# Altium PCB WS485H-V2.PcbDoc (part 2 of 2)
Units mm, origin at the board's own origin, x right, y up, seen from the top; angles counter-clockwise.
Board outline 80.13 x 50.13 mm, 2 copper layers (TopLayer, BottomLayer); 99 components, 75 nets, 330 pads, 447 vias.
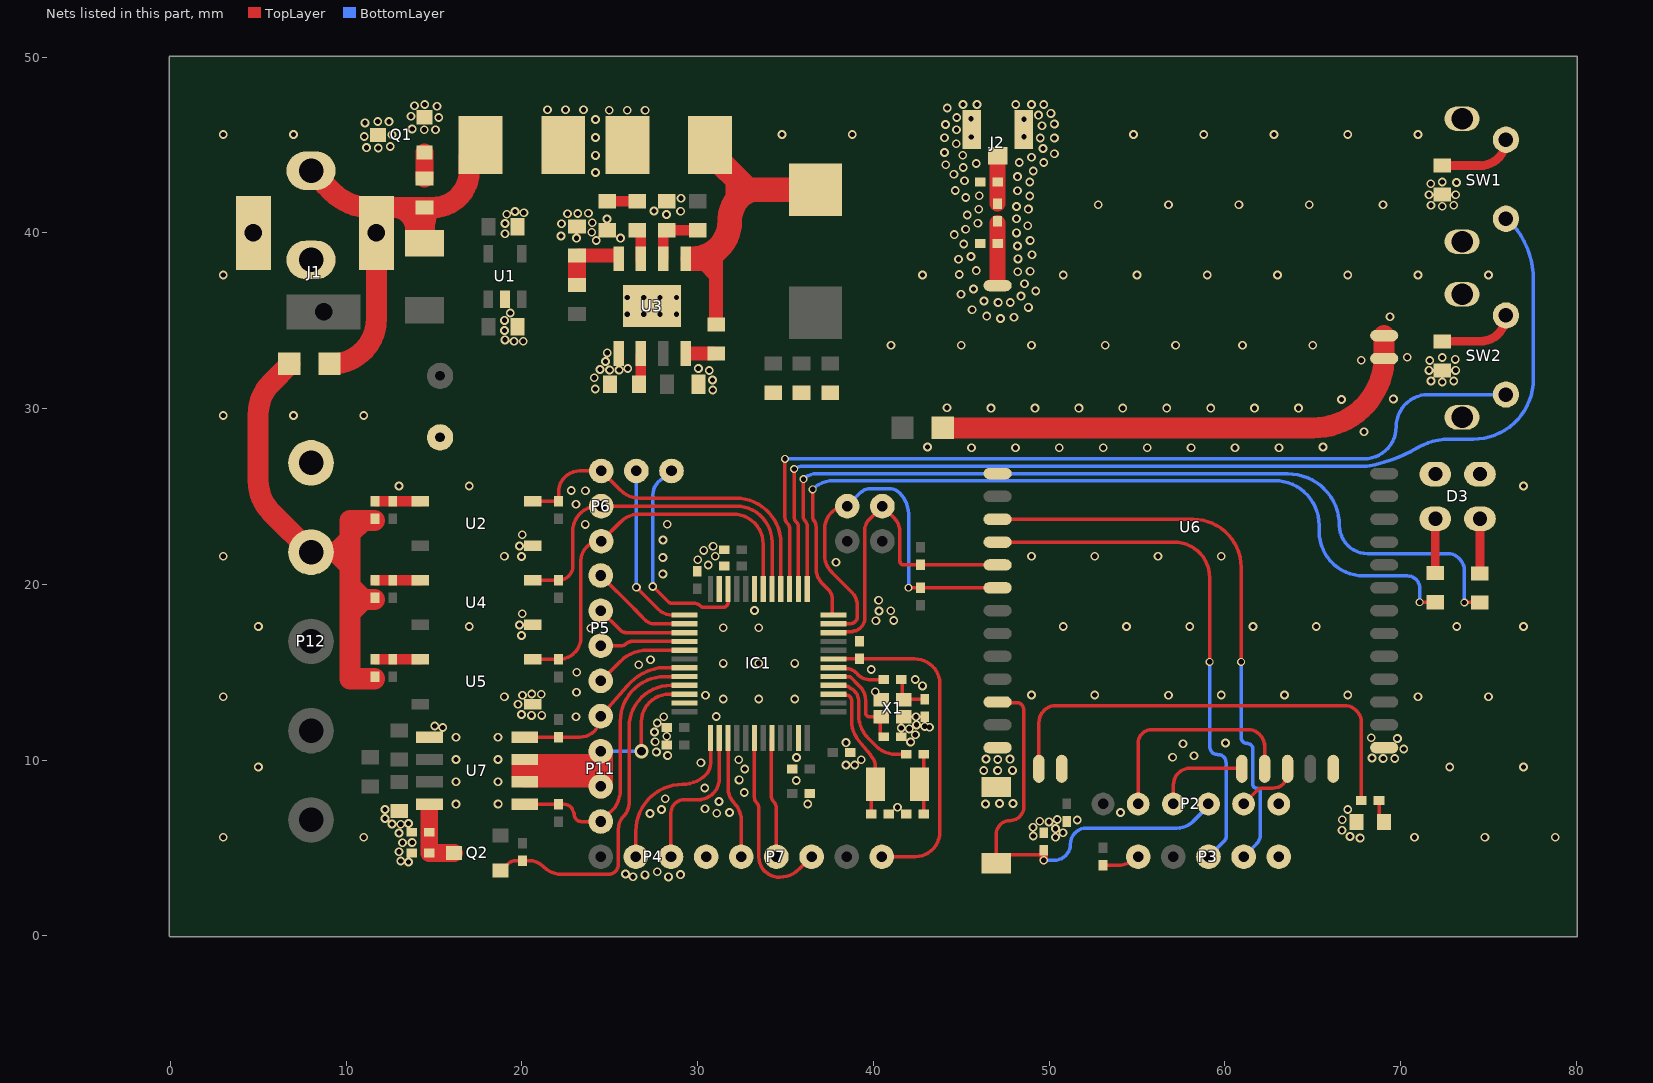
[diagram p2: the nets of this part, all layers, seen from the top]

## Via types
v1: diameter 0.5, hole 0.3, TopLayer to BottomLayer, tented both sides, 416 vias
v2: diameter 0.8, hole 0.5, TopLayer to BottomLayer, tented both sides, 17 vias
v3: diameter 0.45, hole 0.3, TopLayer to BottomLayer, tented both sides, 13 vias
v4: diameter 0.7, hole 0.4, TopLayer to BottomLayer, tented both sides, 1 vias

## Nets (pads, with @x,y where several pads share a name; then routed paths per layer and width w, separated by ;. In a path a pad name is that pad's centre, name@x,y a point inside that pad or via, vN(x,y) a via of type N, cw(c..) or ccw(c..) an arc to the next point about the centre after c; other vN are vias at no path point) (continued)
GND: C1.1 C2.1 C3.1 C4.1 C5.1 C7.2 C8.1 C10.1 C11.1 C12.1 C13.1 C14.1 C15.2 C16.2 C17.2 C18.2 C19.1 C20.2 C21.2 C22.1 C23.1 C24.2 C25.2 C26.2 C27.2 D1.1 D2.1 D3.2 D3.4 D4.2 IC1.19 IC1.23 IC1.35 IC1.47 J2.2 P2.6 P3.1 P4.1 P12.1 Q1.2 R5.1 R10.1 R11.1 R13.1 R19.1 R23.2 R24.2 R29.1 SW1.0 SW2.0 SW3.2 U1.2 U2.3 U3.0 U3.5 U4.3 U5.3 U6.2 U6.14 U6.22 U7.5 X1.3 X1.4
  other v1: 26.318,3.353 28.341,3.35 27.009,3.464 29.029,3.477 25.89,3.514 27.703,3.638 13.55,4.2 13.099,4.254 13,4.78 13.2,5.29 13.75,5.3 67.701,5.555 3,5.6 11,5.6 50.36,5.6 70.8,5.6 74.8,5.6 78.8,5.6 67.12,5.65 49.1,5.67 13,5.84 50.79,5.86 66.67,6 50.368,6.095 49.09,6.17 12.6,6.36 13.099,6.339 13.55,6.39 50,6.48 49.47,6.51 51.6,6.59 50.46,6.61 66.677,6.605 12.21,6.67 27.29,6.95 31.09,6.97 31.81,7.012 54.069,7.019 12.21,7.18 27.94,7.18 66.99,7.18 30.42,7.23 41.37,7.31 16.25,7.49 18.645,7.495 36.27,7.5 46.38,7.5 47.18,7.53 47.95,7.53 31.22,7.64 28.15,7.79 32.65,8.15 30.404,8.412 16.25,8.76 18.64,8.76 35.61,8.83 32.36,8.87 46.28,9.4 47.07,9.4 47.92,9.41 32.68,9.49 5,9.6 72.8,9.6 77,9.6 38.94,9.71 38.44,9.72 30.182,9.84 32.34,10.01 39.31,10.02 16.25,10.03 18.64,10.03 47.08,10.03 46.41,10.06 47.77,10.05 69.01,10.08 69.67,10.08 68.37,10.12 35.63,10.14 57.03,10.16 58.24,10.24 28.29,10.26 27.65,10.45 70.18,10.63 57.618,10.928 60.04,10.97 38.44,10.99 42.12,11.03 27.58,11.04 69.82,11.23 68.33,11.27 16.25,11.3 18.64,11.3 28.244,11.35 28.244,11.35 42.39,11.44 27.55,11.6 42.043,11.772 15.495,11.845 41.592,11.826 43.19,11.86 42.92,11.915 15.04,11.94 42.46,12 27.701,12.102 23.07,12.46 28.07,12.46 31.058,12.473 42.42,12.465 20.55,12.54 21.13,12.54 19.977,12.584 19.77,13.17 31.452,13.47 33.472,13.47 35.522,13.47 3,13.6 19,13.6 71,13.6 75,13.6 20.03,13.69 30.44,13.684 49.001,13.699 52.601,13.699 56.796,13.69 59.801,13.699 63.4,13.699 67,13.699 21.1,13.74 20.56,13.76 23.11,13.86 40.11,13.89 42.79,14.22 42.38,14.58 23.12,14.99 39.88,15.15 26.647,15.424 31.452,15.5 33.482,15.5 35.522,15.5 27.318,15.7 19.977,17.084 23.91,17.5 31.452,17.53 33.472,17.53 5,17.6 17,17.6 50.801,17.599 54.401,17.599 58.001,17.599 61.6,17.599 65.2,17.599 73.2,17.6 77,17.6 19.866,17.685 40.141,17.921 41.165,17.944 20.015,18.324 40.32,18.48 40.99,18.49 33.23,18.51 40.299,19.096 28.02,20.58 30.6,21.1 37.879,21.261 30,21.4 28.02,21.52 3,21.6 19,21.6 19.977,21.584 31,21.6 49.001,21.599 52.601,21.599 56.201,21.599 59.801,21.599 30.35,21.93 30.88,22.16 19.866,22.185 28.03,22.52 20.015,22.824 23.6,23.41 28.27,23.42 23.07,24.55 23.61,25.32 22.81,25.34 13,25.6 17,25.6 77,25.6 45.583,27.774 48.083,27.774 50.583,27.774 53.083,27.774 55.583,27.774 58.083,27.774 60.583,27.774 63.083,27.774 43.083,27.809 65.583,27.812 67.926,28.682 3,29.6 7,29.6 11,29.6 46.694,30.026 49.194,30.026 51.694,30.026 54.194,30.026 56.694,30.026 59.194,30.026 61.694,30.026 64.194,30.026 44.194,30.049 66.645,30.518 69.592,30.547 30.86,31.06 24.17,31.12 72.375,31.514 71.736,31.574 73.031,31.574 30.85,31.62 24.12,31.75 24.99,32.19 25.53,32.19 30.66,32.17 71.615,32.175 73.135,32.175 24.44,32.22 26.02,32.28 30.04,32.28 24.75,32.68 71.66,32.74 67.76,32.755 73.11,32.8 70.38,32.919 72.37,32.91 24.85,33.17 41,33.6 45,33.6 49,33.6 53.2,33.6 57.2,33.6 61,33.6 65,33.6 19.55,33.83 20.08,33.83 19.04,33.91 19.014,34.444 19.01,35.02 47.24,35.12 48,35.2 69.404,35.221 46.456,35.26 26,35.362 26.93,35.362 27.86,35.362 28.79,35.362 19.34,35.44 45.62,35.63 48.82,35.76 47.1,36.04 47.79,36.04 46.3,36.12 26,36.317 26.93,36.317 27.86,36.317 28.79,36.317 48.4,36.4 44.99,36.51 49.24,36.69 45.7,36.8 48.6,37.1 42.8,37.6 50.8,37.6 55,37.6 59,37.6 63,37.6 67,37.6 71,37.6 75,37.6 44.89,37.63 48.22,37.79 48.22,37.79 48.92,37.82 48.92,37.82 45.85,37.85 44.85,38.5 44.85,38.5 48.23,38.52 48.23,38.52 45.55,38.65 49.03,38.75 49.03,38.75 48.2,39.25 45.14,39.37 48.92,39.56 24.23,39.57 23.1,39.7 25.61,39.7 22.22,39.82 44.6,39.9 19.04,39.95 48.15,40 23.97,40.04 45.25,40.2 48.78,40.4 22.25,40.52 19.03,40.53 24,40.57 45.947,40.552 24.84,40.79 48.15,40.8 45.348,41.02 28.23,41.05 19.13,41.06 22.59,41.09 23.18,41.1 23.78,41.12 20.11,41.15 19.61,41.21 29.03,41.23 27.51,41.25 45.991,41.341 48.82,41.35 48.15,41.5 72.375,41.514 71.736,41.574 73.031,41.574 52.8,41.6 56.8,41.6 60.8,41.6 64.8,41.6 69,41.6 29.05,41.97 45.26,42.006 48.9,42.1 46.02,42.109 71.615,42.175 73.135,42.175 48.2,42.4 44.654,42.415 71.72,42.79 73.18,42.87 48.9,42.9 72.38,42.9 45.187,42.971 48.2,43.2 44.58,43.34 24.18,43.44 49.1,43.52 45.114,43.716 44.12,43.88 45.85,43.95 48.3,44 49.7,44 49,44.3 24.18,44.41 45.09,44.42 50.3,44.5 44.052,44.578 49.65,44.8 44.72,45.07 49.5,45.4 50.3,45.4 44.047,45.41 24.18,45.433 45.564,45.458 48.568,45.463 34.8,45.6 38.8,45.6 54.8,45.6 58.8,45.6 62.8,45.6 67,45.6 71,45.6 14.44,45.87 15.08,45.87 44.73,45.87 13.75,45.91 49.6,46.1 44.102,46.168 50.3,46.2 24.18,46.456 45.56,46.49 48.568,46.473 15.27,46.57 44.75,46.57 13.69,46.64 49.4,46.7 50.1,46.8 21.46,47 22.48,47 23.5,47 24.97,46.98 25.99,46.98 27.01,46.98 44.2,47.1 15.17,47.2 13.88,47.23 14.47,47.3 45.1,47.3 45.9,47.3 48.1,47.3 49,47.3 49.7,47.3
I2C1_SCL: IC1.39 P7.3 | length 7
  TopLayer w0.2: IC1.39@31.732,11.262 31.732,8.372 ccw(c32.852,8.372) 32.06,7.58 cw(c31.041,6.561) 32.482,6.561 P7.3@32.482,4.5
I2C1_SDA: IC1.44 P7.2 | length 6.9
  TopLayer w0.2: IC1.44@34.232,11.262 34.182,11.212 34.182,10.507 34.182,7.977 ccw(c34.687,7.977) 34.33,7.62 cw(c33.963,7.253) 34.482,7.253 P7.2@34.482,4.5
I2C1_SMBA: IC1.42 P7.1 | length 10.9
  TopLayer w0.2: IC1.42@33.232,11.262 33.232,7.869 ccw(c33.669,7.869) 33.36,7.56 cw(c33.066,7.266) 33.482,7.266 33.482,4.483 33.482,4.482 ccw(c34.636,4.484) 34.676,3.331 34.679,3.331 ccw(c34.676,4.868) 35.764,3.782 P7.1@36.482,4.5
"IOA9-DC ON": U6.21
KEY0: IC1.14 SW1.1 | length 60.8
  TopLayer w0.2: v3(35.492,26.562) 35.492,23.827 ccw(c35.902,23.827) 35.611,23.538 cw(c35.322,23.247) 35.732,23.247 IC1.14@35.732,19.738
  BottomLayer w0.2: v3@35.492,26.522 cw(c35.97,26.044) 35.97,26.72 68.064,26.72 68.08,26.72 ccw(c66.793,34.645) 69.503,27.088 ccw(c66.511,35.43) 70.976,27.774 cw(c72.776,24.683) 72.776,28.26 72.778,28.26 74.14,28.26 ccw(c74.14,31.68) 77.56,31.68 77.56,37.322 77.56,37.323 ccw(c72.728,37.323) 76.145,40.74 SW1.1@76,40.8
KEY1: IC1.15 SW2.1 | length 50.6
  TopLayer w0.2: v3(34.967,27.14) 34.967,23.804 ccw(c35.42,23.804) 35.099,23.484 ; 35.099,23.484 cw(c34.779,23.164) 35.232,23.164 IC1.15@35.232,19.738
  BottomLayer w0.2: v3(34.967,27.14) 67.924,27.14 ccw(c67.924,28.97) 69.754,28.97 cw(c71.584,28.97) 71.584,30.8 SW2.1@76,30.8
LED1: IC1.12 R20.2 | length 47.7
  TopLayer w0.2: v3(36.542,25.406) 36.542,23.871 ccw(c37.006,23.871) 36.573,23.705 ; 37.077,20.063 cw(c37.892,20.877) 36.74,20.877 36.74,23.26 ccw(c36.063,23.26) 36.678,23.544 ; 37.078,20.062 37.415,19.725 cw(c36.799,19.109) 37.67,19.109 37.67,18.3 IC1.12@37.72,18.25 ; v3(71.09,18.979) R20.2@71.98,18.979 ; 36.573,23.705 cw(c36.063,23.26) 36.678,23.544 ; 36.573,23.705 ccw(c37.006,23.871) 36.678,23.544
  BottomLayer w0.2: v3(36.542,25.406) cw(c37.734,24.214) 37.734,25.9 62.829,25.9 cw(c62.829,23.36) 65.369,23.36 65.369,23.02 ccw(c67.909,23.02) 67.909,20.48 70.382,20.48 cw(c70.382,19.772) 71.09,19.772 v3(71.09,18.979)
LED2: IC1.13 R21.2 | length 49.9
  TopLayer w0.2: v3(36.017,25.984) 36.017,23.85 ccw(c36.384,23.85) 36.124,23.59 cw(c35.865,23.331) 36.232,23.331 IC1.13@36.232,19.738 ; v3(73.63,18.965) R21.2@74.52,18.965
  BottomLayer w0.2: v3(36.017,25.984) cw(c36.779,25.222) 36.779,26.3 36.781,26.3 63.405,26.3 cw(c63.405,26.1) 63.486,26.283 63.588,26.283 cw(c63.588,23.345) 66.525,23.345 ccw(c68.124,23.345) 68.124,21.747 72.67,21.747 cw(c72.67,20.787) 73.63,20.787 v3(73.63,18.965)
LED_G: IC1.18 P6.1 R14.1 U5.4 | length 22.9
  TopLayer w0.2: U5.4@20.616,15.725 R14.1@22.082,15.725 ccw(c22.082,17.003) 23.36,17.003 23.36,21.348 cw(c24.462,21.348) 24.462,22.45 P6.1@24.512,22.45 25.609,23.547 ; 25.611,23.549 cw(c26.7,22.459) 26.7,24 32.011,24 cw(c32.011,22.279) 33.732,22.279 IC1.18@33.732,20.24 ; IC1.18@33.732,19.738 ccw(c33.732,19.776) 33.77,19.776 IC1.18@33.77,20.24
LED_R: IC1.16 P6.3 R2.1 U2.4 | length 20
  TopLayer w0.2: U2.4@20.616,24.725 R2.1@22.082,24.725 22.082,25.24 cw(c23.292,25.24) 23.292,26.45 P6.3@24.512,26.45 25.609,25.353 25.611,25.351 ccw(c26.7,26.441) 26.7,24.9 26.702,24.9 32.175,24.9 cw(c32.175,22.343) 34.732,22.343 IC1.16@34.732,19.738
LED_Y: IC1.17 P6.2 R8.1 U4.4 | length 21.1
  TopLayer w0.2: U4.4@20.616,20.225 R8.1@22.082,20.225 ccw(c22.082,21.033) 22.89,21.033 22.89,23.01 cw(c24.33,23.01) 24.33,24.45 P6.2@24.512,24.45 32.193,24.45 cw(c32.193,22.411) 34.232,22.411 IC1.17@34.232,19.312
MODE: P2.5 U6.19 | length 3.6
  TopLayer w0.2: P2.5@61.07,7.5 61.874,8.304 cw(c62.064,8.115) 62.064,8.383 62.72,8.383 cw(c63.07,7.5) 63.012,8.448 ; 63.029,8.45 ccw(c63,8.648) 63.087,8.468 ccw(c62.719,9.222) 63.558,9.222 63.558,9.502 U6.19@63.57,9.502 ; 63.012,8.448 cw(c63.07,7.5) 63.029,8.449 ccw(c63.07,7.5) 63.012,8.448
NetC6_1: C6.1 U3.8 | length 1.5
  TopLayer w0.8: U3.8@29.6,33.134 30.853,33.134 C6.1@30.653,33.134
NetC6_2: C6.2 D1.2 L1.1 U3.1 | length 19.8
  TopLayer w0.6: 30.279,38.181 30.981,37.479 ; 31.89,41.747 31.89,43.053
  TopLayer w0.8: C6.2@31.053,35.066 31.053,37.479 31.053,38.653
  TopLayer w1.4: 30.644,38.534 29.713,38.534 ccw(c29.713,40.643) 31.823,40.643 cw(c33.864,40.643) 32.24,41.88 cw(c33.444,40.963) 33.042,42.422 ; D1.2@30.7,45.001 30.7,44.601 32.898,42.403 cw(c33.296,40.96) 33.296,42.457 L1.1@36.7,42.457
NetC9_1: C9.1 R13.2 | length 1.3
  TopLayer w0.6: R13.2@25.14,41.798 C9.1@26.47,41.798
NetC9_2: C9.2 U3.3 | length 1.8
  TopLayer w0.6: C9.2@26.53,40.147 26.77,39.907 U3.3@26.77,38.441
NetC10_2: C10.2 R17.1 U6.1 | length 3.6
  TopLayer w0.915: U6.1@47.07,37.212 47.07,39.379 C10.2@47.07,39.579 ; C10.2@47.07,39.281 R17.1@47.07,40.562
NetC11_2: C11.2 J2.1 R17.2 | length 2.7
  TopLayer w0.915: R17.2@47.07,41.677 C11.2@47.07,42.902 J2.1@47.07,44.384
NetC25_1: C25.1 R31.2 X2.2 | length 3.1
  TopLayer w0.2: C25.1@42.87,6.92 X2.2@42.87,8.306 ; X2.2@42.87,8.62 R31.2@42.87,10.324
NetC27_1: C27.1 R30.2 X1.2 | length 2.4
  TopLayer w0.2: R30.2@41.592,14.579 41.64,14.531 41.64,13.532 X1.2@41.732,13.44 ; X1.2@41.757,13.465 C27.1@42.92,13.465
NetD3_1: D3.1 R21.1 | length 3.1
  TopLayer w0.5: R21.1@74.52,20.616 D3.1@74.52,23.73
NetD3_3: D3.3 R20.1 | length 3.1
  TopLayer w0.5: R20.1@71.98,20.63 D3.3@71.98,23.73
NetD4_1: D4.1 R26.1 | length 1.4
  TopLayer w0.2: R26.1@68.775,7.689 68.775,6.749 ccw(c69.05,6.749) D4.1@69.05,6.474
NetP3_5: P3.5 R27.2 | length 2.2
  TopLayer w0.2: R27.2@53.121,3.979 ccw(c53.07,3.928) R27.2@53.07,4 53.863,4 ccw(c53.863,5.707) P3.5@55.07,4.5
  BottomLayer w0.2: P3.5@55.04,4.46 55.04,4.47 cw(c55.07,4.47) P3.5@55.07,4.5
NetQ1_1: Q1.1 R6.1 | length 1.5
  TopLayer w1: R6.1@14.455,43.091 Q1.1@14.455,44.58
NetR1_1: R1.1 R5.2 U3.4 | length 3.2
  TopLayer w0.6: 23.999,38.715 24.028,38.686 ; U3.4@25.499,38.458 U3.4@25.499,38.534 U3.4@25.499,38.686
  TopLayer w0.8: R5.2@23.258,38.716 U3.4@25.299,38.716
  TopLayer w1: R1.1@23.133,37.432 23.133,38.31
NetR3_2: R3.2 R4.2 U2.1 | length 2.5
  TopLayer w0.6: R3.2@11.734,24.721 R4.2@12.651,24.722 U2.1@14.216,24.721
NetR7_1: R7.1 R10.2 U3.2 | length 2.5
  TopLayer w0.6: U3.2@28.039,38.534 28.039,39.839 R10.2@28.047,39.847 ; R10.2@28.397,40.147 R7.1@29.584,40.147
NetR9_2: R9.2 R12.2 U4.1 | length 2.5
  TopLayer w0.6: R9.2@11.688,20.225 R12.2@12.651,20.225 U4.1@14.216,20.225
NetR11_2: R11.2 U3.6 | length 1.4
  TopLayer w0.6: R11.2@26.77,31.664 U3.6@26.77,33.041
NetR15_2: R15.2 R16.2 U5.1 | length 2.5
  TopLayer w0.6: R15.2@11.697,15.725 R16.2@12.651,15.726 U5.1@14.216,15.725
NetR18_2: R18.2 U6.35 U6.36 | length 28.7
  TopLayer w1.2: R18.2@43.943,28.9 65.018,28.9 ccw(c65.018,32.952) U6.35@69.07,32.952 ; U6.35@69.07,32.852 U6.36@69.07,34.152
NetR23_1: R23.1 SW1.2 | length 4.5
  TopLayer w0.5: R23.1@72.375,43.826 74.525,43.826 ccw(c74.525,45.3) SW1.2@76,45.3
NetR24_1: R24.1 SW2.2 | length 4.5
  TopLayer w0.5: R24.1@72.375,33.826 74.525,33.826 ccw(c74.525,35.3) SW2.2@76,35.3
NRST: C17.1 IC1.7 P8.2 | length 19.4
  TopLayer w0.2: IC1.7@37.72,15.75 C17.1@39.212,15.75 42.336,15.75 cw(c42.336,14.268) 43.384,15.316 cw(c42.425,14.359) 43.78,14.362 43.78,14.36 43.78,5.908 cw(c42.372,5.908) 42.372,4.5 P8.2@40.482,4.5
OSC32-IN: C24.1 IC1.3 X2.1 | length 8.8
  TopLayer w0.2: IC1.3@37.72,13.75 38.001,13.75 cw(c38.001,13.579) 38.122,13.7 38.457,13.7 cw(c38.457,13.4) 38.551,13.685 cw(c38.457,13.4) 38.757,13.4 38.757,13.1 cw(c38.457,13.1) 38.756,13.07 38.757,13.004 38.757,12.265 ccw(c40.64,12.265) 39.053,11.253 ccw(c40.64,12.265) 39.309,10.934 39.827,10.289 cw(c39.119,9.581) 40.12,9.581 X2.1@40.12,8.62 ; C24.1@39.87,6.92 39.87,8.24 40.19,8.56 X2.1@40.13,8.62 ; X2.1@40.12,8.62 ccw(c39.661,9.079) 40.31,9.079 X2.1@40.31,9.1
OSC32-OUT: IC1.4 R31.1 | length 6.7
  TopLayer w0.2: IC1.4@37.72,14.25 38.047,14.25 cw(c38.047,14.079) 38.167,14.2 38.457,14.2 cw(c38.457,13.9) 38.669,14.113 ccw(c38.809,14.255) 38.713,14.08 cw(c38.248,13.238) 38.902,13.943 cw(c38.248,13.238) 38.928,13.918 cw(c38.457,13.4) 39.157,13.4 39.157,13.352 ccw(c39.757,13.352) 39.157,13.351 39.16,12.566 ccw(c41.048,12.566) 39.16,12.552 ccw(c41.048,12.566) 39.713,11.231 40.155,10.789 ccw(c41.286,11.919) 40.157,10.787 ccw(c41.286,11.919) 41.286,10.32 41.866,10.32 R31.1@41.87,10.324
OSO_IN: C26.1 IC1.5 X1.1 | length 5.5
  TopLayer w0.2: IC1.5@37.72,14.75 38.592,14.75 cw(c38.592,14.579) 38.713,14.7 39.141,14.273 cw(c38.132,13.262) 39.18,14.232 39.181,14.23 ccw(c39.327,14.367) 39.189,14.223 cw(c38.248,13.238) 39.204,14.208 cw(c38.457,13.4) 39.234,14.179 cw(c38.457,13.4) 39.237,14.176 cw(c38.457,13.4) 39.557,13.4 39.557,13.352 ccw(c39.757,13.352) 39.558,13.341 cw(c38.132,13.262) 39.56,13.262 39.56,12.67 ccw(c39.765,12.67) 39.765,12.465 X1.1@40.235,12.465 ; C26.1@40.392,11.476 40.392,12.178 40.235,12.178 X1.1@40.235,12.465 ; X1.1@40.457,12.465 X1.1@40.235,12.465
OSO_OUT: IC1.6 R30.1 | length 2.4
  TopLayer w0.2: 38.475,15.2 cw(c38.475,14.466) 38.994,14.985 39.152,14.827 ; 39.197,14.782 39.152,14.827 ; R30.1@40.592,14.579 39.75,14.579 cw(c39.75,15.425) 39.152,14.827
PGND: J1.2 P1.2 Q1.3
  other v1: 3,37.6 11.82,44.83 11.16,44.85 12.507,44.917 11.02,45.49 12.61,45.58 3,45.6 7,45.6 11.07,46.26 11.79,46.34 12.44,46.33
RESET: C18.1 P2.4 SW3.1 U6.12 | length 24.9
  TopLayer w0.2: U6.12@47.07,13.302 cw(c47.07,13.27) 47.102,13.27 48.15,13.27 cw(c48.15,12.865) 48.555,12.865 48.555,7.334 cw(c47.775,7.334) 47.775,6.554 ccw(c47.775,5.774) 46.995,5.774 46.995,4.619 49.445,4.619
  TopLayer w0.5: v1(49.695,4.294) C18.1@49.695,4.869
  BottomLayer w0.2: v1(49.695,4.294) 50.295,4.294 ccw(c50.295,5.207) 51.208,5.207 cw(c52.121,5.207) 52.121,6.12 57.271,6.12 57.272,6.12 ccw(c57.272,7.417) 58.19,6.5 59.07,7.38 P2.4@59.07,7.5
RS485-DE: IC1.34 P11.2 P11.3 U7.2 U7.3 | length 24.1
  TopLayer w0.2: P11.2@24.482,8.5 ccw(c24.482,8.535) 24.517,8.535 24.517,10.465 ccw(c24.482,10.465) P11.3@24.482,10.5 ; v2(26.8,10.5) 26.76,10.523 26.8,10.563 26.8,12.164 cw(c28.386,12.164) 28.386,13.75 IC1.34@29.244,13.75
  TopLayer w0.65: U7.2@20.157,8.76 24.222,8.76 23.802,9.18 ; U7.3@20.383,10.03 P11.3@24.26,10.03
  TopLayer w1.4: 20.377,9.44 24.207,9.44 ; P11.2@24.482,8.5 P11.3@24.482,10.5
  TopLayer w1.525: 20.157,9.208 20.157,9.57
  BottomLayer w0.2: P11.3@24.482,10.5 v2(26.8,10.5)
RS485_switch: IC1.33 Q2.1 R28.1 | length 19.9
  TopLayer w0.2: Q2.1@18.831,3.71 19.222,4.101 cw(c19.63,3.693) 19.63,4.27 R28.1@20.03,4.27 20.43,4.27 cw(c20.43,3.169) 21.208,3.948 21.241,3.915 ccw(c22.247,4.921) 22.247,3.498 24.924,3.498 ccw(c24.924,4.056) 25.482,4.056 25.482,5.5 25.482,6.032 cw(c26.664,6.032) 25.828,6.867 ccw(c25.166,7.526) 26.1,7.526 26.1,11.872 cw(c28.478,11.872) 28.478,14.25 IC1.33@29.244,14.25
RS485_VCC_3V3: C22.2 C23.2 Q2.3 U7.8 | length 3.9
  TopLayer w1: U7.8@14.732,7.201 C22.2@14.732,5.89 C23.2@14.732,4.7 14.742,4.71 Q2.3@16.139,4.71
RXD: P3.2 U6.4 | length 32.9
  TopLayer w0.2: U6.4@47.07,23.702 58.194,23.702 cw(c58.194,20.967) 60.929,20.967 v3(60.929,15.585)
  BottomLayer w0.2: v3(60.929,15.585) 60.929,11.281 ccw(c61.27,11.281) 61.27,10.94 cw(c61.27,10.61) 61.6,10.61 61.6,8.61 ccw(c61.81,8.61) 61.81,8.4 cw(c61.81,8.19) 62.02,8.19 62.02,5.748 cw(c61.301,5.748) 61.809,5.239 P3.2@61.07,4.5
SPI2_MISO: IC1.28 P5.2 | length 4.8
  TopLayer w0.2: P5.2@24.482,16.5 25.643,16.5 ccw(c25.643,16.927) 25.935,16.615 ccw(c25.643,16.927) 25.945,16.625 cw(c26.247,16.323) 26.247,16.75 IC1.28@29.244,16.75
SPI2_MOSI: IC1.29 P5.1 | length 5.4
  TopLayer w0.2: P5.1@24.482,14.5 25.579,15.597 ; 25.581,15.599 cw(c27.153,14.026) 27.153,16.25 IC1.29@29.244,16.25
SPI2_NSS: IC1.26 P5.4 | length 5.9
  TopLayer w0.2: P5.4@24.482,20.5 26.391,18.603 cw(c25.67,17.875) 26.401,18.593 27.02,17.964 27.021,17.963 ccw(c27.536,18.478) 27.536,17.75 27.537,17.75 27.79,17.75 IC1.26@29.244,17.75
SPI2_SCK: IC1.27 P5.3 | length 5.3
  TopLayer w0.2: P5.3@24.482,18.5 25.579,17.403 ; 25.581,17.401 ccw(c25.946,17.767) 25.946,17.25 IC1.27@29.244,17.25
SWCLK: IC1.38 P4.2 | length 8.7
  TopLayer w0.2: P4.2@28.482,4.5 28.482,6.996 cw(c29.226,6.996) 29.226,7.74 30.022,7.74 ccw(c30.022,8.95) 30.533,7.853 ccw(c30.022,8.95) 31.119,8.439 ccw(c30.022,8.95) 31.232,8.95 IC1.38@31.232,11.262
SWCLK-W: P2.3 U6.17 | length 5.5
  TopLayer w0.2: P2.3@57.07,7.5 57.07,8.577 cw(c58.023,8.577) 58.023,9.53 60.72,9.53 ccw(c60.748,9.53) 60.748,9.502 U6.17@60.97,9.502
SWD-W: P2.2 U6.18 | length 12.9
  TopLayer w0.2: P2.2@55.07,7.5 55.07,10.96 cw(c55.84,10.96) 55.84,11.73 61.313,11.73 cw(c61.313,10.773) 62.27,10.773 U6.18@62.27,9.502
SWDIO: IC1.37 P4.3 | length 9.3
  TopLayer w0.2: P4.3@26.482,4.5 26.482,5.95 cw(c29.149,5.95) 29.148,8.617 ccw(c29.149,10.471) 30.46,9.16 ccw(c29.803,9.817) 30.732,9.817 IC1.37@30.732,11.262
TXD: P3.3 U6.5 | length 30.3
  TopLayer w0.2: U6.5@47.07,22.402 57.12,22.402 cw(c57.12,20.387) 59.135,20.387 v3(59.135,15.585) ; P3.3@59.07,4.5 ccw(c59.07,4.58) 59.15,4.58 P3.3@59.15,4.71
  BottomLayer w0.2: P3.3@59.07,4.5 59.984,5.414 59.985,5.415 ccw(c59.779,5.623) 60.072,5.623 60.072,9.838 ccw(c59.6,9.838) 59.6,10.31 cw(c59.6,10.775) 59.135,10.775 v3(59.135,15.585)
UART1-RX: IC1.32 P11.1 R32.1 U7.1 | length 17.1
  TopLayer w0.2: U7.1@20.162,7.495 R32.1@22.082,7.495 22.339,7.495 cw(c22.339,6.829) 22.808,7.302 cw(c22.666,7.161) 22.841,7.258 22.842,7.256 cw(c22.668,7.157) 22.852,7.235 ; 22.853,7.234 22.957,6.982 ; 22.957,6.981 cw(c22.771,6.907) 22.965,6.956 22.966,6.952 cw(c22.773,6.902) 22.973,6.905 ccw(c23.38,6.907) 23.38,6.5 P11.1@24.482,6.5 P11.1@24.782,6.8 ; P11.1@23.796,6.5 ccw(c23.781,8.319) P11.1@24.782,6.8 ; 25.6,12.03 25.6,8.319 cw(c23.781,8.319) 25.3,7.318 P11.1@24.782,6.8 ; 25.6,12.031 25.6,12.21 cw(c28.14,12.21) 28.14,14.75 IC1.32@29.244,14.75
UART1-TX: IC1.31 P11.4 R34.1 U7.4 | length 10.9
  TopLayer w0.2: U7.4@20.157,11.3 22.082,11.3 23.282,11.3 ccw(c23.282,12.5) P11.4@24.482,12.5 25.983,14.209 cw(c28.421,12.071) 27.78,15.25 IC1.31@29.244,15.25
UART3_RX: IC1.25 P10.1 | length 10
  TopLayer w0.2: v1(26.512,19.828) 27.761,18.579 27.762,18.578 ccw(c28.553,19.369) 28.553,18.25 28.555,18.25 IC1.25@29.244,18.25
  BottomLayer w0.2: v1(26.512,19.828) P10.1@26.512,26.45
UART3_TX: IC1.22 P10.2 | length 12.8
  TopLayer w0.2: v1(27.45,19.88) 28.326,19.004 ccw(c28.521,19.198) 28.521,18.923 29.793,18.923 cw(c29.793,18.425) 30.145,18.778 ; 30.146,18.777 ccw(c30.357,18.988) 30.357,18.69 31.45,18.69 ccw(c31.45,18.972) 31.732,18.972 IC1.22@31.732,19.738
  BottomLayer w0.2: v1(27.45,19.88) 27.45,25.081 cw(c28.512,25.081) 28.512,26.143 P10.2@28.512,26.45
USART2-RX: IC1.11 P13.2 R25.1 U6.7 | length 23.3
  TopLayer w0.2: 37.23,21.61 37.23,21.64 ; IC1.11@37.72,17.75 38.654,17.75 ccw(c38.654,18.186) 39.09,18.186 39.09,18.783 ccw(c38.01,18.783) 38.772,19.548 37.64,20.68 37.619,20.701 cw(c38.558,21.64) 37.23,21.64 ; P13.2@38.512,24.45 ccw(c38.512,23.168) 37.23,23.168 37.23,21.64 ; v3(42,19.802) R25.1@42.683,19.802 U6.7@47.07,19.802
  BottomLayer w0.2: P13.2@38.512,24.45 39.29,25.228 cw(c39.824,24.696) 39.824,25.45 39.826,25.45 40.895,25.45 40.897,25.45 cw(c40.897,24.613) 41.484,25.209 cw(c40.268,23.976) 42,24 42,23.998 v3(42,19.802)
USART2-TX: IC1.10 P13.1 R22.1 U6.6 | length 18.2
  TopLayer w0.2: IC1.10@37.72,17.25 38.194,17.25 ccw(c38.194,17.3) 38.244,17.3 38.714,17.3 ccw(c38.714,18.098) 38.756,17.301 ccw(c38.746,17.501) 38.832,17.32 cw(c38.962,17.05) 38.957,17.35 ccw(c38.953,17.55) 39.032,17.366 ccw(c38.714,18.098) 39.512,18.098 39.512,22.443 cw(c40.512,22.45) 39.512,22.457 39.512,23.098 cw(c40.342,23.098) 39.755,23.685 P13.1@40.516,24.446 ; 41.512,22.452 cw(c40.512,22.45) 41.512,22.45 ; R22.1@42.672,21.106 41.715,21.106 cw(c41.715,21.308) 41.512,21.308 41.512,22.45 ; R22.1@42.683,21.102 U6.6@47.07,21.102 ; P13.1@40.516,24.446 P13.1@40.512,24.45 40.52,24.45 P13.1@40.516,24.446 ; P13.1@40.516,24.446 41.171,23.791 cw(c40.348,22.968) 41.172,23.79 cw(c40.348,22.968) 41.512,22.968 41.512,22.45
VCC: P12.2 R3.1 R9.1 R15.1 R36.2 | length 32.6
  TopLayer w0.6: P12.2@9.266,21.574 9.974,20.866 ; P12.2@9.266,22.046 9.974,22.754 ; 10.446,18.196 11.154,18.904 ; 10.446,20.084 11.154,19.376 ; 10.446,22.696 11.154,23.404
  TopLayer w1.2: R36.2@6.764,32.542 6.808,32.542 6.81,32.54 5.734,31.464 ccw(c7.53,29.668) 4.99,29.668 4.99,25.892 ccw(c7.53,25.892) 5.734,24.096 P12.2@8,21.83 10,21.83 ; 10.21,14.626 10.998,14.626 R15.1@11.601,14.626 ; 10.21,14.726 10.21,19.125 ; R9.1@11.601,19.125 10.21,19.125 ; R3.1@11.601,23.622 10.21,23.622 10.21,19.125
VIN: D2.2 F1.1 J1.1 P1.1 R6.2 R36.1 | length 30
  TopLayer w1: J1.1@12.702,41.348 cw(c12.702,40.2) 13.85,40.2
  TopLayer w1.2: P1.1@8.8,42.74 8.8,42.769 8.029,43.54 P1.1@8,43.54 8.799,42.741 9.2,42.34 ccw(c11.374,44.514) 11.374,41.44 11.692,41.121 11.714,41.1 J1.1@11.714,40 11.714,35.082 cw(c9.174,35.082) 11.586,34.288 ccw(c12.726,33.912) 11.579,34.266 cw(c10.815,34.502) 11.554,34.196 cw(c9.174,35.082) 9.734,32.605 cw(c9.174,35.082) 9.174,32.542 R36.1@9.05,32.542 ; J1.1@11.777,41.44 12.702,41.44 13.95,41.44 R6.2@14.455,41.44 14.455,40.98 14.455,40.189 ; F1.1@13.95,39.899 13.95,40.98 ; F1.1@14.455,39.405 14.455,40.189 ; D2.2@17.65,45 17,44.35 17,43.51 cw(c14.93,43.51) 14.93,41.44 14.703,41.44 ccw(c17.738,40.189) 14.455,40.189
WISUN-KEY0: U6.16
WISUN-LED1: R26.2 U6.15 | length 26.5
  TopLayer w0.2: U6.15@49.42,9.502 49.42,12.124 cw(c50.396,12.124) 50.396,13.1 66.799,13.1 cw(c66.799,12.124) 67.775,12.124 R26.2@67.775,7.689
pads on no net: IC1.2 IC1.30 IC1.40 IC1.41 IC1.43 IC1.46 J1.3 U1.4 U6.8 U6.9 U6.10 U6.11 U6.23 U6.24 U6.25 U6.26 U6.27 U6.28 U6.29 U6.30 U6.31 U6.32 U6.33 U6.34

## Polygon pours and split planes (outlines as drawn)
GND on TopLayer "TopLayer-No Net 1" (hatched 90Degree grid 0.2 track 0.2, remove dead copper, pour order 1000): 79.973,0.01 79.973,50.01 -0.027,50.01 -0.027,0.01
PGND on TopLayer "TopLayer-No Net 1" (hatched 90Degree grid 0.2 track 0.2, remove dead copper, pour order 1004): 0,47.5 12.69,47.5 12.69,34 0,34
PGND on BottomLayer "TopLayer-No Net 1" (hatched 90Degree grid 0.2 track 0.2, remove dead copper, pour order 1003): 0,47.5 12.69,47.5 12.69,34 0,34
GND on BottomLayer "TopLayer-No Net 1" (hatched 90Degree grid 0.2 track 0.2, remove dead copper, pour order 1001): 79.99,0.01 79.99,50.01 -0.01,50.01 -0.01,0.01

## Keep-outs
KeepOutLayer:
  lines w0.127: 0,0 80,0 80,50 0,50 0,0
  lines w0.254: -5.267,0.8 -5,0 ; -5.267,49.2 -5,50 ; -5.254,0 -4.746,0 ; -5.254,50 -4.746,50 ; -5,22.97 -5,0 ; -5,27.03 -5,50 ; -4.733,0.8 -5,0 ; -4.733,49.2 -5,50 ; 0,-5.254 0,-4.746 ; 0.8,-5.267 0,-5 ; 0.8,-4.733 0,-5 ; 37.97,-5 0,-5 ; 42.03,-5 80,-5 ; 79.2,-5.267 80,-5 ; 79.2,-4.733 80,-5 ; 80,-5.254 80,-4.746
  text "50mm" at -4.5,23.224 h0.8 r90
  text "80mm" at 38.224,-5.5 h0.8

## Other copper
TopLayer:
  pour cut-out: 19,46.8 19,43.2 21,43.2 21,43.25 20.99,46.8
  pour cut-out: 40.67,7.51 42.072,7.51 42.072,9.765 40.67,9.765
  pour cut-out: 29.35,43.2 29.35,46.8 27.35,46.8 27.35,46.75 27.36,43.2
  pour cut-out: 40.85,43.107 40.85,34.807 32.55,34.807 32.55,43.107
  pour cut-out: 80.071,47.551 80.071,50.065 -0.057,50.065 -0.057,47.561
  pour cut-out: 80.064,-0.005 80.064,2.509 -0.064,2.509 -0.064,0.005
BottomLayer:
  pour cut-out: 80.065,47.553 80.065,50.067 -0.063,50.067 -0.063,47.563
  pour cut-out: 80.064,-0.074 80.064,2.44 -0.064,2.44 -0.064,-0.064

## Silkscreen, mask and mechanical layers (free items; w line width, h text height)
TopOverlay:
  lines w0.127: 0,2.5 80,2.5 ; 0,47.5 80,47.5
  text "07-24V" at 0.2,34.1 h0.6
  text "RX''" at 25.804,27.762 h0.6
  text "TX''" at 27.804,27.762 h0.6
  text "GND" at 10.7,26.244 h0.6 r90
  text "DI1" at 23.2,25.908 h0.6 r90
  text "RX'" at 37.9,25.81 h0.6
  text "TX'" at 39.91,25.76 h0.6
  text "D!2" at 26.25,23.95 h0.6 r90
  text "DI3" at 23.2,21.825 h0.6 r90
  text "12V/UND" at 10.7,20.206 h0.6 r90
  text "NSS" at 26.307,19.834 h0.6 r90
  text "SCK" at 26.307,17.934 h0.6 r90
  text "ADC_IN1" at 39.8,17.4 h0.6 r90
  text "ADC_IN2" at 41.8,17.2 h0.6 r90
  text "SPI" at 27.7,16.567 h0.8 r90
  text "MISO" at 26.307,15.45 h0.6 r90
  text "DI1/UND" at 10.7,15.167 h0.6 r90
  text "MOSI" at 26.307,13.167 h0.6 r90
  text "TX" at 26.307,11.883 h0.6 r90
  text "DI2/D-" at 10.7,10.295 h0.6 r90
  text "DE" at 26.307,10.083 h0.6 r90
  text "DE" at 26.307,8.083 h0.6 r90
  text "RX" at 26.307,6.083 h0.6 r90
  text "VCC" at 52.404,5.755 h0.6
  text "SWD" at 54.404,5.755 h0.6
  text "CLK" at 56.404,5.755 h0.6
  text "RST" at 58.404,5.755 h0.6
  text "MODE" at 60.154,5.755 h0.6
  text "GND" at 62.404,5.755 h0.6
  text "I2C" at 34.95,5.66 h0.8
  text "DI3/D+" at 10.7,5.215 h0.6 r90
  text "WS485H-V2" at 78.6,4.74 h1.8 r90
  text "3V3" at 23.816,2.77 h0.6
  text "DIO" at 25.857,2.76 h0.6
  text "CLK" at 27.816,2.76 h0.6
  text "GND" at 29.716,2.76 h0.6
  text "SCL" at 31.616,2.76 h0.6
  text "SDA" at 33.516,2.76 h0.6
  text "SMBA" at 35.466,2.76 h0.6
  text "BOOT0" at 38.016,2.76 h0.6
  text "NRST" at 41.276,2.76 h0.6
  text "TXD" at 58.404,2.76 h0.6
  text "RXD" at 60.404,2.76 h0.6
  text "GND" at 62.404,2.76 h0.6
  text "H" at 54,2.7 h0.6
  text "BOOT" at 55,2.7 h0.6
  text "L" at 57.6,2.7 h0.6
Mechanical1:
  lines w0.127: -2.01,0.62 -2.01,50.62 ; -0.01,25.62 79.99,25.62 ; 39.99,0.62 39.99,50.62 ; 81.99,0.62 81.99,50.62
  lines w0.254: -4.55,-0.38 -2.01,-0.38 ; -3.534,-0.888 -2.01,-0.38 ; -3.534,0.128 -2.01,-0.38 ; -2.01,-0.634 -2.01,-0.126 ; -0.01,-0.634 -0.01,-0.126 ; -0.01,51.755 -0.01,52.263 ; 1.514,-0.888 -0.01,-0.38 ; 1.514,0.128 -0.01,-0.38 ; 1.514,51.501 -0.01,52.009 ; 1.514,52.517 -0.01,52.009 ; 2.53,-0.38 -0.01,-0.38 ; 3.883,52.009 -0.01,52.009 ; 12.597,52.009 16.49,52.009 ; 14.966,51.501 16.49,52.009 ; 14.966,52.517 16.49,52.009 ; 18.014,51.501 16.49,52.009 ; 18.014,52.517 16.49,52.009 ; 37.843,52.009 16.49,52.009 ; 46.637,52.009 67.99,52.009 ; 66.466,51.501 67.99,52.009 ; 66.466,52.517 67.99,52.009 ; 69.514,51.501 67.99,52.009 ; 69.514,52.517 67.99,52.009 ; 70.511,52.009 67.99,52.009 ; 77.45,-0.799 79.99,-0.799 ; 77.469,52.009 79.99,52.009 ; 78.466,-1.307 79.99,-0.799 ; 78.466,-0.291 79.99,-0.799 ; 78.466,51.501 79.99,52.009 ; 78.466,52.517 79.99,52.009 ; 79.99,-1.053 79.99,-0.545 ; 79.99,51.755 79.99,52.263 ; 81.99,-1.053 81.99,-0.545 ; 83.514,-1.307 81.99,-0.799 ; 83.514,-0.291 81.99,-0.799 ; 84.53,-0.799 81.99,-0.799 ; 16.49,51.755 16.49,52.263 16.49,51.755 ; 67.99,51.755 67.99,52.263 67.99,51.755
  text "16.5mm" at 4.137,51.095 h1.52
  text "51.5mm" at 38.097,51.095 h1.52
  text "12mm" at 70.765,51.095 h1.52
  text "2mm" at -3.676,-4.037 h1.52
  text "2mm" at 78.324,-4.456 h1.52
Mechanical13:
  circle w0.2: c15.34,30.31 r0.46
  lines w0.2: 14.455,35.5 ccw(c19.647,35.192) 19.338,30 ; 18.2,40.2 cw(c18.09,40.358) 18.282,40.358
  text "Q1、D2、F1順序要對" at 10.379,50.608 h0.8
  text "也可以用打Via的" at 23.261,49.238 h0.8
  text "D2直放插入，LDO放D2原本位置然後可以拉線出去。" at 8.013,48.567 h0.8
  text "D1向左塞，L上升，三個顛榮擺放修正" at 29.204,48.299 h0.8
  text "需要加入5v的保線絲" at 11.999,37.048 h0.8
  text "D1、L1擺放、要先通過D1，然後向下擠" at 29.611,36.867 h0.8
  text "調整線路，要塞5V線過去" at 40.06,33.868 h0.8
  text "C5可以橫擺" at 35.057,33.669 h0.8
  text "2pin的東西，可以取消or下壓。" at 39.302,32.825 h0.8
  text "這裡要個0R大電阻！！" at 44.91,30.388 h0.8
  text "因為是共lay， / 所以3v3不能直接連過去， / 會影響到DCDC部分的。" at 13.543,29.894 h0.8
  text "這邊擠出空間，讓5V過？" at 29.683,27.498 h0.8
  text "其實可以考慮，紅線過去！！！ / 然後5v在拉線？" at 47.846,26.413 h0.8
  text "這邊或許可以整理得更好， / 讓訊號不用繞+GND OK。" at 21.947,23.92 h0.8
  text "R18可以橫擺" at 31.405,7.769 h0.8